# Altium PCB spd150.PcbDoc (part 12 of 16)
Units mm, origin at the board's own origin, x right, y up, seen from the top; angles counter-clockwise.
Board outline 217.35 x 147.5 mm, 10 copper layers (TOP, LYR2-PLN, LYR3-SIG, LYR4-SIG, LYR5-PLN, LYR6-PLN, LYR7-SIG, LYR8-SIG, LYR9-PLN, BOTTOM), stack 2.134 mm thick; 1065 components, 972 nets, 4226 pads, 2810 vias.
Unrouted connection lines stored in the file: 16.
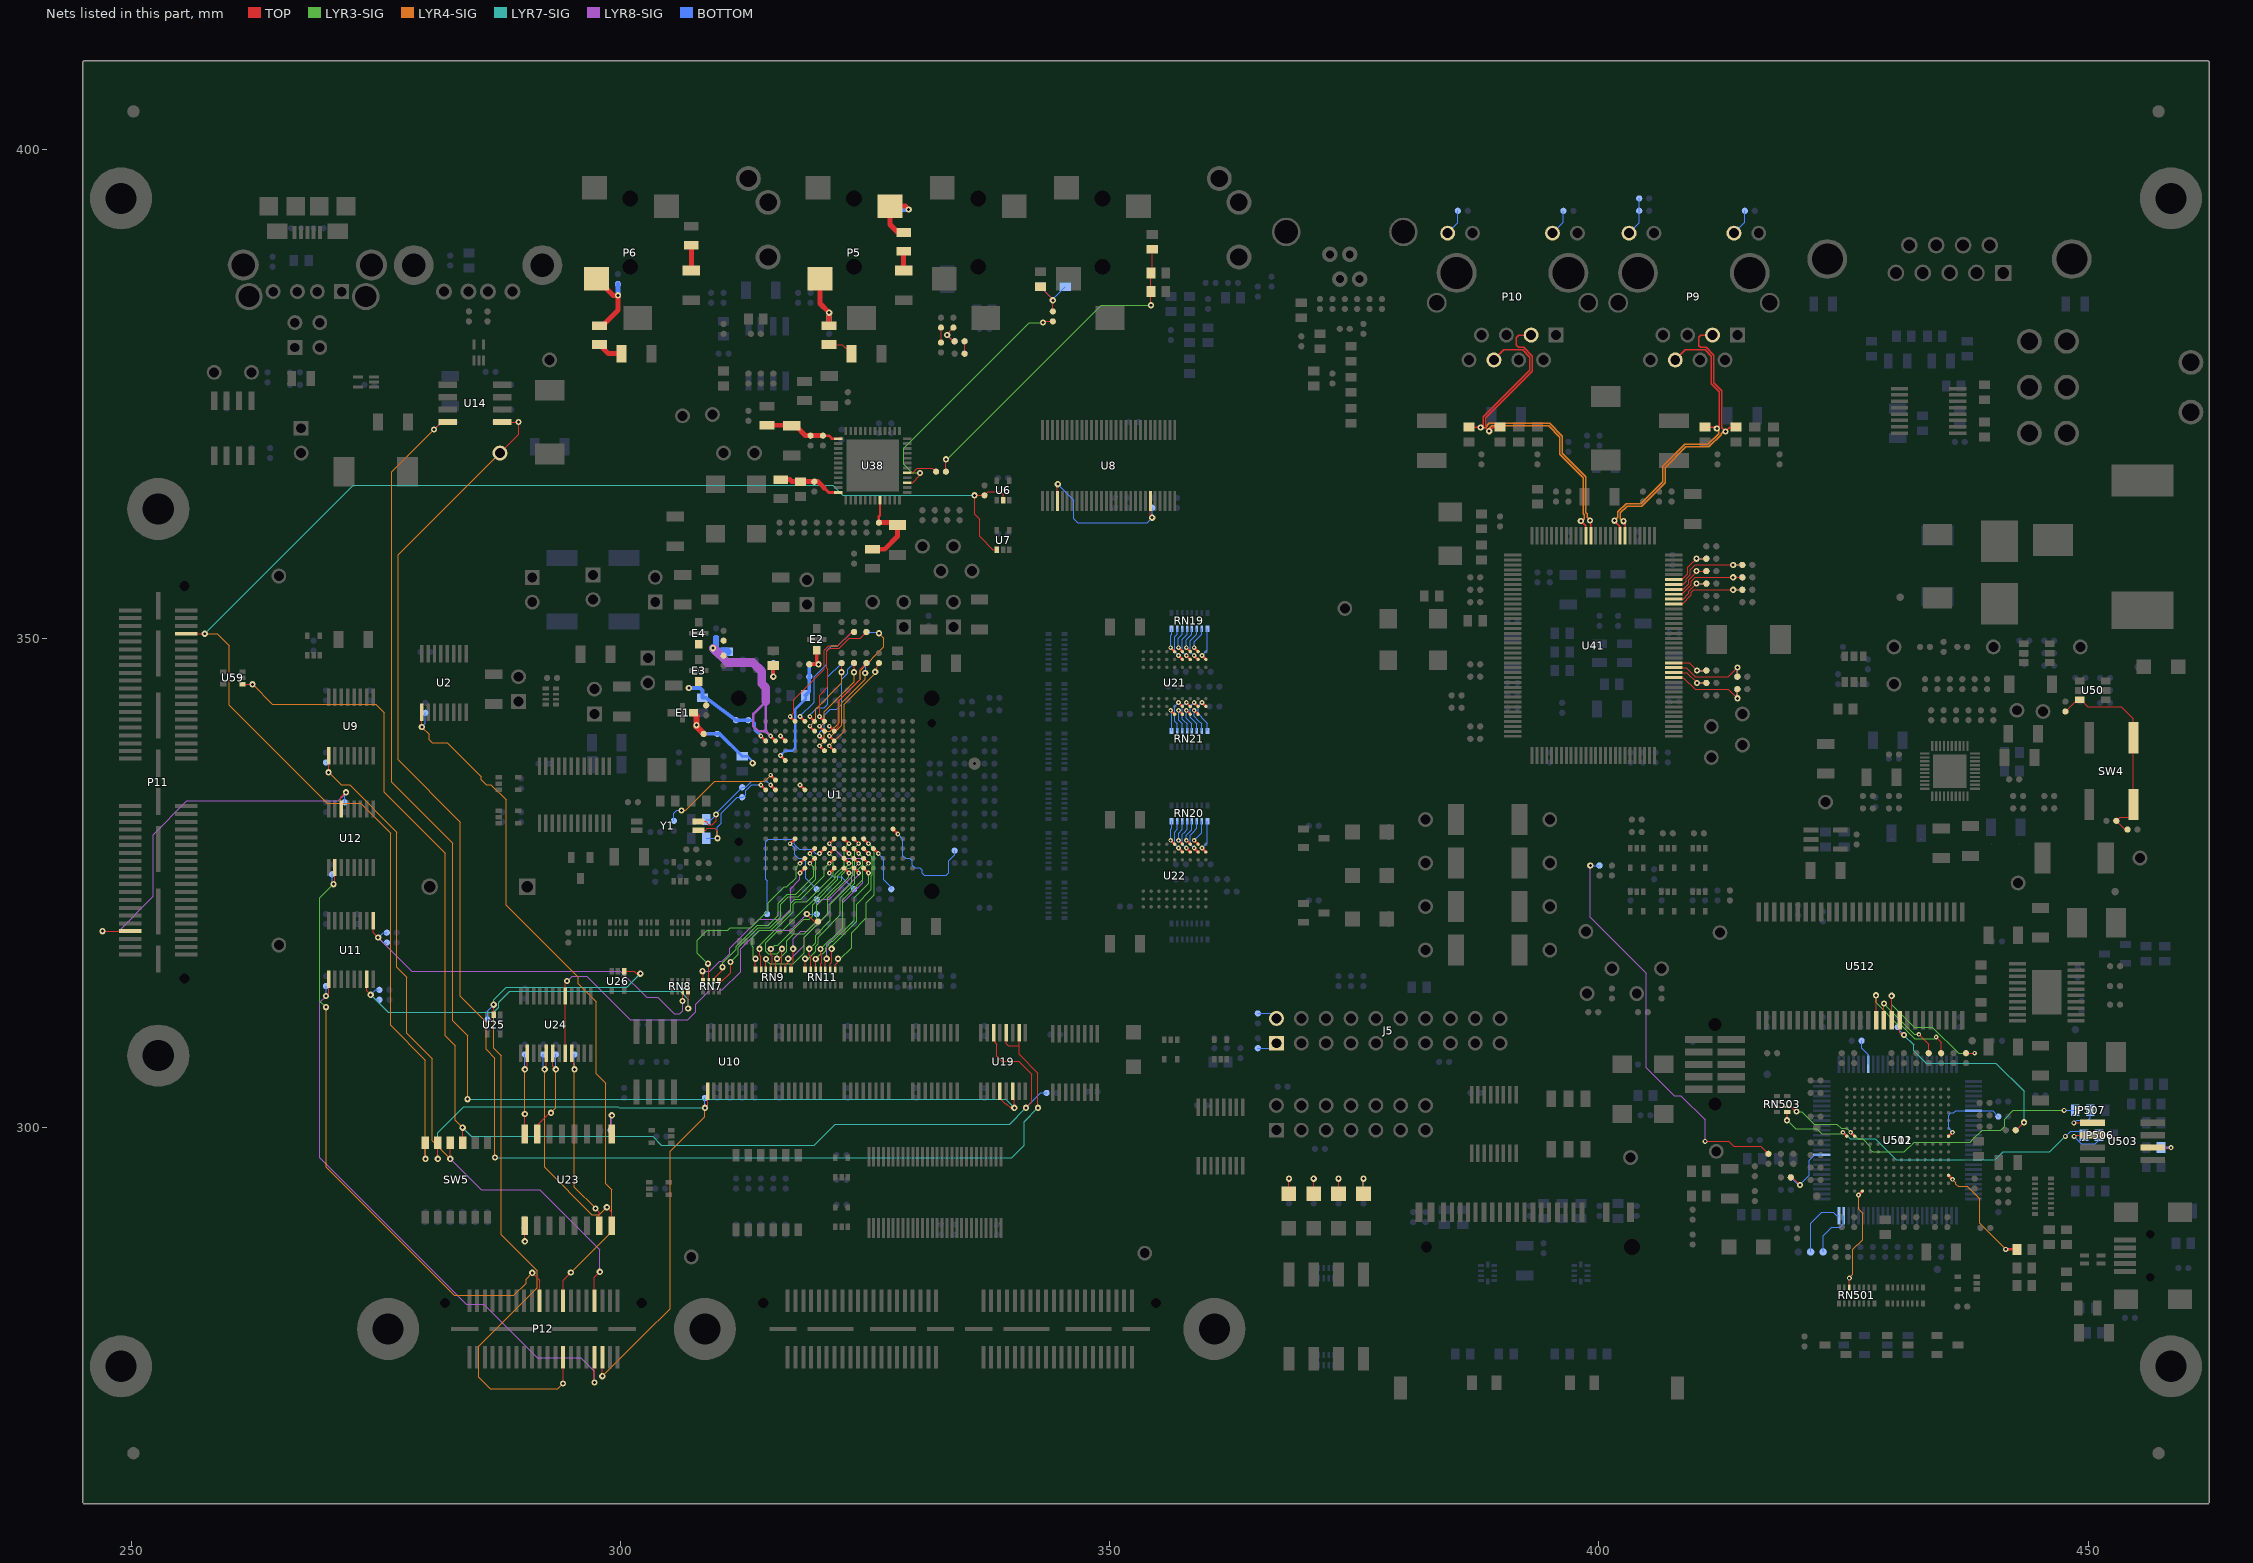
[diagram p20: the nets of this part, all layers, seen from the top]

## Via types
v1: diameter 0.635, hole 0.305, TOP to BOTTOM, 2018 vias
v2: diameter 0.483, hole 0.203, TOP to BOTTOM, 651 vias
v3: diameter 0.508, hole 0.254, TOP to BOTTOM, 120 vias
v4: diameter 0.559, hole 0.254, TOP to BOTTOM, 21 vias

## Nets (pads, with @x,y where several pads share a name; then routed paths per layer and width w, separated by ;. In a path a pad name is that pad's centre, name@x,y a point inside that pad or via, vN(x,y) a via of type N, cw(c..) or ccw(c..) an arc to the next point about the centre after c; other vN are vias at no path point) (continued)
N20160541: RN11.2 U1.N11 | length 15.6
  TOP w0.127: RN11.2@321.92,316.154 321.92,316.611 322.199,316.89 v1(322.199,317.246)
  TOP w0.254: U1.N11@324.83,329.507 v2(325.331,329.006)
  LYR3-SIG w0.102: v2(325.331,329.006) 325.938,328.399 325.938,325.501
  LYR3-SIG w0.127: v1(322.199,317.246) 322.453,317.246 323.596,318.389 323.596,319.913 325.12,321.437 325.12,322.961 325.938,323.779 325.938,325.501
N20160583: RN11.4 U1.N8 | length 17.5
  TOP w0.127: RN11.4@320.924,316.154 320.924,316.291 320.929,316.296 320.929,317.119 v1(321.056,317.246)
  TOP w0.254: v2(321.328,329.006) U1.N8@321.828,329.507
  LYR8-SIG w0.102: v2(321.328,329.006) 322.801,327.533 324.485,327.533 324.739,327.279 324.739,325.501
  LYR8-SIG w0.127: v1(321.056,317.246) 321.056,318.681 322.707,320.332 322.707,322.961 324.739,324.993 324.739,325.501
N20160585: RN11.3 U1.P11 | length 14.5
  TOP w0.127: RN11.3@321.422,316.154 321.422,316.738 321.564,316.88 v1(321.564,318.262)
  TOP w0.254: U1.P11@324.83,328.506 v2(325.331,328.005)
  LYR3-SIG w0.102: v2(325.331,328.005) 325.735,327.602 325.735,325.849 325.628,325.742 325.628,325.501
  LYR3-SIG w0.127: v1(321.564,318.262) 321.564,318.516 324.104,321.056 324.104,322.834 325.628,324.358 325.628,325.501
N20160587: RN11.7 U1.N10 | length 15.7
  TOP w0.127: v1(319.278,318.262) 319.278,317.584 319.42,317.442 319.42,316.164 RN11.7@319.43,316.154
  TOP w0.254: U1.N10@323.83,329.507 v2(324.33,329.006)
  LYR3-SIG w0.102: 323.596,325.501 323.596,325.712 323.723,325.839 323.723,326.263 323.936,326.476 323.936,328.613 v2(324.33,329.006)
  LYR3-SIG w0.127: v1(319.278,318.262) 319.913,318.897 319.913,319.659 321.437,321.183 321.437,322.834 323.596,324.993 323.596,325.501
N20160591: RN11.8 U1.P10 | length 15.4
  TOP w0.127: RN11.8@318.856,316.154 v1(318.856,317.246)
  TOP w0.254: U1.P10@323.83,328.506 v2(324.33,328.005)
  LYR3-SIG w0.102: 323.936,325.501 323.936,326.169 324.165,326.398 324.282,326.398 324.724,326.84 324.724,327.612 v2(324.33,328.005)
  LYR3-SIG w0.127: v1(318.856,317.246) 319.151,317.246 319.913,318.008 319.913,318.516 320.167,318.77 320.167,319.443 322.453,321.729 322.453,323.469 323.936,324.952 323.936,325.501
N20160593: RN11.6 U1.T11 | length 13
  TOP w0.127: RN11.6@319.928,316.154 v1(319.928,317.231)
  TOP w0.254: U1.T11@324.83,326.504 v2(325.331,326.004)
  LYR3-SIG w0.102: 325.331,325.501 v2(325.331,326.004)
  LYR3-SIG w0.127: v1(319.928,317.231) 320.446,317.749 320.637,317.749 320.934,318.046 320.934,318.394 321.564,319.024 321.691,319.024 323.85,321.183 323.85,323.469 325.331,324.95 325.331,325.501
N20160595: RN11.5 U1.R11 | length 13.8
  TOP w0.127: RN11.5@320.426,316.154 320.426,316.738 320.548,316.86 320.548,317.5 320.426,317.622 v1(320.426,318.257)
  TOP w0.254: U1.R11@324.83,327.505 v2(325.331,327.005)
  LYR3-SIG w0.102: 324.739,325.501 324.739,326.413 v2(325.331,327.005)
  LYR3-SIG w0.127: v1(320.426,318.257) 321.447,319.278 321.564,319.278 322.707,320.421 322.707,323.281 324.739,325.313 324.739,325.501
N20166860: R27.2 U1.N4 | length 6.7
  TOP w0.254: v2(317.325,329.006) U1.N4@317.825,329.507
  BOTTOM w0.102: v2(317.325,329.006) 317.782,328.549 317.782,327.886 318.135,327.533 318.516,327.533 318.897,327.152 318.897,325.501
  BOTTOM w0.127: 318.897,325.501 R27.2@320.04,324.358
N20301221: C21.1 C22.1 C23.1 C24.1 E2.1 U1.E3 | length 15.1
  TOP w0.254: v2(316.324,338.013) U1.E3@316.824,337.513
  TOP w0.381: C21.1@319.278,347.345 v1(320.218,347.345) 320.04,347.523 E2.1@320.04,348.767
  BOTTOM w0.254: v2(316.324,338.013) 316.817,338.506 317.551,338.506 317.83,338.785 317.83,342.722 318.897,343.789 C24.1@318.897,344.17
  BOTTOM w0.381: C24.1@318.897,344.17 319.278,344.551 C23.1@319.278,346.075 C22.1@319.278,347.345 v1(320.218,347.345)
N20301254: C26.1 C27.1 U1.C3 | length 3.2
  TOP w0.254: v2(316.324,340.015) U1.C3@316.824,339.514
  TOP w0.381: v1(315.595,346.075) C27.1@315.595,347.218
  BOTTOM w0.381: v1(315.595,346.075) C26.1@315.595,347.472
N20333449: C17.1 C18.1 C19.1 C20.1 E1.1 U1.H5 | length 9.7
  TOP w0.254: v2(318.325,335.011) U1.H5@318.826,334.51
  TOP w0.635: E1.1@307.442,342.392 307.746,342.087 v1(307.746,341.122) 307.721,341.097 307.721,340.995 C17.1@308.483,340.233
  BOTTOM w0.254: C20.1@312.42,337.947 312.979,337.947 313.487,337.439 v1(313.487,337.236)
  BOTTOM w0.381: C18.1@308.483,340.233 C19.1@309.88,340.233 310.134,340.233 C20.1@312.42,337.947
N20449077: R16.2 U1.A5 | length 12.1
  TOP w0.254: v2(318.325,342.016) U1.A5@318.826,341.516
  BOTTOM w0.127: v2(318.325,342.016) 319.786,343.477 319.786,346.075 321.056,347.345 321.056,348.742 321.564,349.25 322.199,349.25 323.596,350.647 R16.2@323.85,350.647
N20586306: RN7.1 U1.P6 | length 19.5
  TOP w0.127: RN7.1@310.068,314.973 310.401,314.973 311.226,315.798 v1(311.226,316.916)
  TOP w0.254: v2(319.326,328.005) U1.P6@319.827,328.506
  LYR3-SIG w0.102: v2(319.326,328.005) 319.933,327.398 319.933,325.501
  LYR3-SIG w0.127: v1(311.226,316.916) 312.039,317.729 312.039,318.402 314.058,320.421 315.214,320.421 316.357,321.564 316.357,322.809 317.144,323.596 318.135,323.596 319.933,325.394 319.933,325.501
N20586307: RN7.2 U1.R6 | length 18.3
  TOP w0.127: RN7.2@309.494,314.973 309.494,315.209 310.413,316.128 v1(310.413,316.382)
  TOP w0.254: v2(319.326,327.005) U1.R6@319.827,327.505
  LYR3-SIG w0.102: v2(319.326,327.005) 319.72,326.611 319.72,325.689 319.532,325.501
  LYR3-SIG w0.127: v1(310.413,316.382) 310.413,316.84 311.785,318.211 311.785,318.516 313.944,320.675 315.087,320.675 316.103,321.691 316.103,322.936 317.017,323.85 317.881,323.85 319.532,325.501
N20586308: RN7.3 U1.R5 | length 20.2
  TOP w0.127: v1(308.915,316.738) 308.996,316.657 RN7.3@308.996,314.973
  TOP w0.254: v2(318.325,327.005) U1.R5@318.826,327.505
  LYR3-SIG w0.102: 317.881,325.501 317.932,325.552 317.932,326.611 v2(318.325,327.005)
  LYR3-SIG w0.127: v1(308.915,316.738) 307.848,317.805 307.848,319.151 308.864,320.167 310.947,320.167 311.201,320.421 313.309,320.421 315.087,322.199 315.087,322.986 316.713,324.612 316.992,324.612 317.881,325.501
N20586309: RN7.4 U1.T5 | length 17.8
  TOP w0.127: v1(308.356,315.976) 308.422,315.91 RN7.4@308.422,314.973
  TOP w0.254: v2(318.325,326.004) U1.T5@318.826,326.504
  LYR8-SIG w0.102: 318.325,325.501 v2(318.325,326.004)
  LYR8-SIG w0.127: v1(308.356,315.976) 309.118,315.976 310.134,316.992 310.391,316.992 311.15,317.751 311.15,318.338 314.122,321.31 316.357,321.31 317.373,322.326 317.373,324.416 318.325,325.369 318.325,325.501
N20637986: R86.1 U1.M14 | length 11.7
  TOP w0.254: U1.M14@327.833,330.507 v2(328.333,330.007)
  BOTTOM w0.102: v2(328.333,330.007) 328.854,329.486 328.854,327.787 329.133,327.508 329.54,327.508 329.794,327.254 329.794,326.796 330.048,326.542 330.581,326.542 330.835,326.288 330.835,325.984
  BOTTOM w0.127: 330.835,325.984 331.038,325.78 333.299,325.78 333.553,326.034 333.553,327.279 334.137,327.863 R86.1@334.137,328.295
N20639075: R87.1 U1.P12 | length 4.9
  TOP w0.254: U1.P12@325.831,328.506 v2(326.332,328.005)
  BOTTOM w0.102: v2(326.332,328.005) 326.898,327.439 326.898,325.704
  BOTTOM w0.127: 326.898,325.704 326.898,325.323 327.66,324.561 R87.1@327.66,324.358
N20660016: RN9.7 U1.P8 | length 16.6
  TOP w0.127: v1(314.198,318.262) 314.198,317.584 314.34,317.442 314.34,316.164 RN9.7@314.35,316.154
  TOP w0.254: v2(321.328,328.005) U1.P8@321.828,328.506
  LYR3-SIG w0.102: v2(321.328,328.005) 321.721,327.612 321.721,325.785 321.437,325.501
  LYR3-SIG w0.127: v1(314.198,318.262) 314.198,318.643 317.627,322.072 317.627,322.814 317.901,323.088 319.024,323.088 321.437,325.501
N20660020: RN9.8 U1.R8 | length 16
  TOP w0.127: RN9.8@313.776,316.154 v1(313.776,317.246)
  TOP w0.254: v2(321.328,327.005) U1.R8@321.828,327.505
  LYR3-SIG w0.102: 320.548,325.501 320.802,325.755 320.802,326.479 v2(321.328,327.005)
  LYR3-SIG w0.127: v1(313.776,317.246) 313.563,317.459 313.563,318.402 313.436,318.529 313.436,319.405 314.198,320.167 315.361,320.167 317.373,322.179 317.373,322.936 317.779,323.342 318.389,323.342 320.548,325.501
N20661248: RN9.2 U1.T10 | length 13.8
  TOP w0.127: RN9.2@316.84,316.154 316.84,316.611 317.119,316.89 v1(317.119,317.246)
  TOP w0.254: U1.T10@323.83,326.504 v2(324.33,326.004)
  LYR8-SIG w0.102: 323.977,325.501 324.33,325.854 v2(324.33,326.004)
  LYR8-SIG w0.127: v1(317.119,317.246) 317.373,317.246 318.77,318.643 318.77,319.43 321.31,321.97 321.31,322.834 323.977,325.501
N20661250: RN9.4 U1.P9 | length 16.9
  TOP w0.127: RN9.4@315.844,316.154 315.844,316.291 315.849,316.296 315.849,317.119 v1(315.976,317.246)
  TOP w0.254: U1.P9@322.829,328.506 v2(323.329,328.005)
  LYR3-SIG w0.102: 322.58,325.501 322.58,325.831 323.266,326.517 323.469,326.517 323.723,326.771 323.723,327.612 v2(323.329,328.005)
  LYR3-SIG w0.127: v1(315.976,317.246) 316.23,317.246 316.992,318.008 316.992,319.085 317.693,319.786 318.745,319.786 320.04,321.081 320.04,322.707 322.58,325.247 322.58,325.501
N20661252: RN9.3 U1.N9 | length 19.7
  TOP w0.127: RN9.3@316.342,316.154 316.342,316.738 316.484,316.88 v1(316.484,318.262)
  TOP w0.254: U1.N9@322.829,329.507 v2(323.329,329.006)
  LYR3-SIG w0.102: 321.945,325.501 321.945,325.882 322.834,326.771 322.834,328.511 v2(323.329,329.006)
  LYR3-SIG w0.127: v1(316.484,318.262) 315.976,317.754 315.562,317.754 315.557,317.749 315.092,317.749 314.833,318.008 314.833,318.897 315.976,320.04 316.484,320.04 321.945,325.501
N20661254: RN9.1 U1.R10 | length 15.2
  TOP w0.127: RN9.1@317.414,316.154 317.414,316.647 317.627,316.86 v1(317.627,318.262)
  TOP w0.254: U1.R10@323.83,327.505 v2(324.33,327.005)
  LYR8-SIG w0.102: 323.469,325.501 323.85,325.882 323.85,326.517 324.33,326.997 v2(324.33,327.005)
  LYR8-SIG w0.127: v1(317.627,318.262) 317.627,319.278 318.389,320.04 318.999,320.04 320.04,321.081 320.04,322.834 320.548,323.342 321.31,323.342 323.469,325.501
N20661256: RN9.6 U1.T9 | length 16.5
  TOP w0.127: RN9.6@314.848,316.154 v1(314.848,317.231)
  TOP w0.254: U1.T9@322.829,326.504 v2(323.329,326.004)
  LYR3-SIG w0.102: 323.215,325.501 323.329,325.615 v2(323.329,326.004)
  LYR3-SIG w0.127: v1(314.848,317.231) 314.848,317.104 315.214,316.738 317.63,316.738 318.77,317.878 318.77,319.43 321.183,321.843 321.183,323.469 323.215,325.501
N20661258: RN9.5 U1.R9 | length 15.5
  TOP w0.127: RN9.5@315.346,316.154 315.346,316.738 315.468,316.86 315.468,317.5 315.346,317.622 v1(315.346,318.257)
  TOP w0.254: U1.R9@322.829,327.505 v2(323.329,327.005)
  LYR3-SIG w0.102: 322.199,325.501 322.199,325.755 323.329,326.885 v2(323.329,327.005)
  LYR3-SIG w0.127: v1(315.346,318.257) 315.732,318.643 316.06,318.643 318.727,321.31 319.278,321.31 319.606,321.638 319.606,322.76 322.199,325.354 322.199,325.501
N20664581: R69.1 U1.T8 | length 3.9
  TOP w0.254: v2(321.328,326.004) U1.T8@321.828,326.504
  BOTTOM w0.102: v2(321.328,326.004) 321.704,325.628 322.58,325.628 322.707,325.501
  BOTTOM w0.127: 322.707,325.501 R69.1@323.85,324.358
N20664593: R72.1 U1.P7 | length 14.5
  TOP w0.254: v2(320.327,328.005) U1.P7@320.827,328.506
  BOTTOM w0.102: 314.833,325.501 314.833,329.184 315.087,329.438 317.5,329.438 317.754,329.184 317.754,328.93 318.262,328.422 319.532,328.422 319.949,328.005 v2(320.327,328.005)
  BOTTOM w0.127: 314.833,325.501 314.833,325.374 314.985,325.222 314.985,321.843 R72.1@314.96,321.818
N20774436: C46.1 R103.2 U1.H1 Y1.4 | length 12.9
  TOP w0.127: Y1.4@307.95,330.39 308.673,330.39 308.864,330.581 309.626,330.581 309.88,330.327 v1(309.88,329.565)
  TOP w0.254: v2(314.322,335.011) U1.H1@314.823,334.51
  BOTTOM w0.102: 313.802,335.011 v2(314.322,335.011)
  BOTTOM w0.127: C46.1@308.737,329.565 v1(309.88,329.565) 309.88,330.708 310.261,331.089 310.261,332.105 311.912,333.756 R103.2@312.42,333.756 312.547,333.756 312.801,334.01 312.801,334.416 313.395,335.011 313.802,335.011
N20774450: C47.1 R103.1 U1.H2 Y1.1 | length 11.9
  TOP w0.127: Y1.1@307.95,331.279 308.673,331.279 308.991,330.962 309.372,330.962 309.753,331.343 v1(309.753,331.978)
  TOP w0.254: v2(315.323,335.011) U1.H2@315.824,334.51
  BOTTOM w0.102: 313.69,335.407 314.927,335.407 v2(315.323,335.011)
  BOTTOM w0.127: C47.1@308.737,331.47 309.245,331.47 v1(309.753,331.978) 309.753,332.105 R103.1@312.42,334.772 312.776,334.772 313.411,335.407 313.69,335.407
N20774506: R104.1 U1.G2 | length 13
  TOP w0.254: v2(315.323,336.012) U1.G2@315.824,335.511
  LYR4-SIG w0.102: 313.69,335.407 314.719,335.407 v2(315.323,336.012)
  LYR4-SIG w0.127: v1(306.222,332.41) 306.629,332.41 309.626,335.407 313.69,335.407
  BOTTOM w0.127: R104.1@305.435,331.343 305.435,332.105 305.74,332.41 v1(306.222,332.41)
N21190289: RN19.7 U21.D2 | length 3.6
  TOP w0.254: v2(357.017,348.242) U21.D2@357.419,347.84
  BOTTOM w0.102: 356.616,349.885 356.616,348.643 v2(357.017,348.242)
  BOTTOM w0.127: 356.616,349.885 356.616,350.139 356.895,350.418 RN19.7@356.895,350.977
N21190349: RN19.1 U21.A2 | length 3.5
  TOP w0.254: v2(359.418,348.242) U21.A2@359.819,347.84
  BOTTOM w0.127: v2(359.418,348.242) 359.959,348.783 359.959,349.885 RN19.1@359.959,350.977
N21190351: RN19.2 U21.B1 | length 2.8
  TOP w0.254: v2(358.618,349.042) U21.B1@359.019,348.64
  BOTTOM w0.127: v2(358.618,349.042) 358.618,349.626 358.877,349.885 359.385,350.393 RN19.2@359.385,350.977
N21190353: RN19.3 U21.B2 | length 3.7
  TOP w0.254: v2(358.618,348.242) U21.B2@359.019,347.84
  BOTTOM w0.102: 358.379,349.885 358.224,349.73 358.224,348.635 v2(358.618,348.242)
  BOTTOM w0.127: 358.379,349.885 358.887,350.393 RN19.3@358.887,350.977
N21190355: RN19.4 U21.C1 | length 2.7
  TOP w0.254: v2(357.817,349.042) U21.C1@358.219,348.64
  BOTTOM w0.127: v2(357.817,349.042) 357.817,349.821 357.881,349.885 358.389,350.393 RN19.4@358.389,350.977
N21190357: RN19.5 U21.C2 | length 3.7
  TOP w0.254: v2(357.817,348.242) U21.C2@358.219,347.84
  BOTTOM w0.102: 357.424,349.885 357.424,348.635 v2(357.817,348.242)
  BOTTOM w0.127: 357.424,349.885 357.424,349.926 357.891,350.393 RN19.5@357.891,350.977
N21190359: RN19.6 U21.D1 | length 2.7
  TOP w0.254: v2(357.017,349.042) U21.D1@357.419,348.64
  BOTTOM w0.127: v2(357.017,349.042) 356.997,349.062 356.997,349.997 357.393,350.393 RN19.6@357.393,350.977
N21190361: RN19.8 U21.E1 | length 2.5
  TOP w0.254: v2(356.217,349.042) U21.E1@356.619,348.64
  BOTTOM w0.127: v2(356.217,349.042) 356.217,349.885 356.217,350.289 356.321,350.393 RN19.8@356.321,350.977
N21190363: RN21.1 U21.E9 | length 2.7
  TOP w0.254: v2(356.217,342.641) U21.E9@356.619,342.24
  BOTTOM w0.127: v2(356.217,342.641) 356.321,342.537 356.321,341.63 RN21.1@356.321,340.538
N21190365: RN21.2 U21.D8 | length 3.8
  TOP w0.254: v2(357.017,343.441) U21.D8@357.419,343.04
  BOTTOM w0.102: 356.616,341.63 356.616,343.04 v2(357.017,343.441)
  BOTTOM w0.127: 356.616,341.63 356.616,341.528 356.895,341.249 RN21.2@356.895,340.538
N21190403: RN21.3 U21.D9 | length 2.8
  TOP w0.254: v2(357.017,342.641) U21.D9@357.419,342.24
  BOTTOM w0.127: v2(357.017,342.641) 357.017,341.63 357.017,341.625 357.393,341.249 RN21.3@357.393,340.538
N21190461: RN21.4 U21.C8 | length 3.8
  TOP w0.254: v2(357.817,343.441) U21.C8@358.219,343.04
  BOTTOM w0.102: 357.51,341.63 357.411,341.729 357.411,343.035 v2(357.817,343.441)
  BOTTOM w0.127: 357.51,341.63 357.891,341.249 RN21.4@357.891,340.538
N21190463: RN21.5 U21.C9 | length 2.9
  TOP w0.254: v2(357.817,342.641) U21.C9@358.219,342.24
  BOTTOM w0.127: v2(357.817,342.641) 357.817,341.82 358.008,341.63 358.389,341.249 RN21.5@358.389,340.538
N21190465: RN21.6 U21.B8 | length 3.9
  TOP w0.254: v2(358.618,343.441) U21.B8@359.019,343.04
  BOTTOM w0.102: 358.506,341.63 358.224,341.912 358.224,343.047 v2(358.618,343.441)
  BOTTOM w0.127: 358.506,341.63 358.887,341.249 RN21.6@358.887,340.538
N21190467: RN21.7 U21.B9 | length 3
  TOP w0.254: v2(358.618,342.641) U21.B9@359.019,342.24
  BOTTOM w0.127: v2(358.618,342.641) 358.618,342.016 359.004,341.63 359.385,341.249 RN21.7@359.385,340.538
N21190469: RN21.8 U21.A8 | length 4
  TOP w0.254: v2(359.418,343.441) U21.A8@359.819,343.04
  BOTTOM w0.102: v2(359.418,343.441) 359.024,343.047 359.024,342.27 359.664,341.63
  BOTTOM w0.127: 359.664,341.63 359.959,341.335 RN21.8@359.959,340.538
N21229585: RN20.7 U22.D2 | length 3.6
  TOP w0.254: v2(357.017,328.557) U22.D2@357.419,328.155
  BOTTOM w0.102: 356.624,329.954 356.624,328.95 v2(357.017,328.557)
  BOTTOM w0.127: 356.624,329.954 356.624,330.2 356.895,330.472 RN20.7@356.895,331.292
N21229645: RN20.1 U22.A2 | length 3.5
  TOP w0.254: v2(359.418,328.557) U22.A2@359.819,328.155
  BOTTOM w0.102: v2(359.418,328.557) 359.959,329.098 359.959,330.2
  BOTTOM w0.127: 359.959,330.2 RN20.1@359.959,331.292
N21229647: RN20.2 U22.B1 | length 2.8
  TOP w0.254: v2(358.618,329.357) U22.B1@359.019,328.955
  BOTTOM w0.102: v2(358.618,329.357) 359.385,330.124 359.385,330.2
  BOTTOM w0.127: 359.385,330.2 RN20.2@359.385,331.292
N21229649: RN20.3 U22.B2 | length 3.8
  TOP w0.254: v2(358.618,328.557) U22.B2@359.019,328.155
  BOTTOM w0.102: 358.521,330.2 358.211,329.89 358.211,328.963 v2(358.618,328.557)
  BOTTOM w0.127: 358.521,330.2 358.887,330.566 RN20.3@358.887,331.292
N21229651: RN20.4 U22.C1 | length 2.7
  TOP w0.254: v2(357.817,329.357) U22.C1@358.219,328.955
  BOTTOM w0.102: v2(357.817,329.357) 357.817,329.877 358.14,330.2
  BOTTOM w0.127: 358.14,330.2 358.389,330.449 RN20.4@358.389,331.292
N21229653: RN20.5 U22.C2 | length 3.7
  TOP w0.254: v2(357.817,328.557) U22.C2@358.219,328.155
  BOTTOM w0.102: 357.632,330.2 357.424,329.992 357.424,328.95 v2(357.817,328.557)
  BOTTOM w0.127: 357.632,330.2 357.891,330.459 RN20.5@357.891,331.292
N21229655: RN20.6 U22.D1 | length 2.7
  TOP w0.254: v2(357.017,329.357) U22.D1@357.419,328.955
  BOTTOM w0.102: v2(357.017,329.357) 357.017,330.093
  BOTTOM w0.127: 357.017,330.093 357.393,330.469 RN20.6@357.393,331.292
N21229657: RN20.8 U22.E1 | length 2.5
  TOP w0.254: v2(356.217,329.357) U22.E1@356.619,328.955
  BOTTOM w0.102: v2(356.217,329.357) 356.235,329.375 356.235,330.2
  BOTTOM w0.127: 356.235,330.2 356.235,330.495 356.321,330.581 RN20.8@356.321,331.292
N21432686: C31.1 C32.1 C33.1 C34.1 E3.1 U1.C1 | length 10.8
  TOP w0.254: v2(314.322,340.015) U1.C1@314.823,339.514
  BOTTOM w0.254: C32.1@313.055,341.63 313.436,341.63 313.69,341.305 313.69,340.647 v2(314.322,340.015)
  BOTTOM w0.381: v1(306.959,344.932) 308.102,344.932 308.356,344.678 C34.1@308.356,343.916 308.737,343.916 C33.1@311.785,341.63 C32.1@313.055,341.63
N21432690: C35.1 C36.1 C37.1 C38.1 E4.1 U1.C2 | length 21
  TOP w0.254: v2(315.323,340.015) U1.C2@315.824,339.514
  LYR8-SIG w0.254: v2(315.323,340.015) 315.305,340.015 314.833,340.487 ; 314.833,340.487 314.833,343.553 313.563,342.283 313.563,340.995 314.071,340.487 314.833,340.487
  LYR8-SIG w0.889: v1(309.448,348.996) 310.919,347.525 313.507,347.525 314.409,346.624 314.409,345.387 314.833,344.962 314.833,343.553
  BOTTOM w0.635: v1(309.448,348.996) 309.753,349.301 C37.1@309.753,350.012
  BOTTOM w0.889: v1(309.448,348.996) 309.829,348.615 C38.1@310.896,348.615
N21731281: J5.2 R176.1 | length 2.1

## Text inside footprints (layer, text, board x,y; h text height)
C272: PIN_NUMBER "2" at 313.588,338.531 h0.51; PIN_NUMBER "1" at 314.604,338.531 h0.51; ASSEMBLY_BOTTOM "0.01uF" at 314.3,338.531 h0.64; ASSEMBLY_BOTTOM "TOLERANCE" at 314.3,335.991 h0.64; ASSEMBLY_BOTTOM "USERPART#" at 314.3,334.721 h0.64; SYMBOL_PART_DIM "PAD 35X32 OV" at 317.424,333.756 h0.64; SYMBOL_PART_DIM "C402-35X32" at 317.424,335.026 h0.64; SYMBOL_PART_DIM "0" at 314.503,336.398 h0.64; SYMBOL_PART_DIM "0" at 316.636,338.201 h0.64
C273: PIN_NUMBER "1" at 304.343,293.751 h0.51; PIN_NUMBER "2" at 303.327,293.751 h0.51; ASSEMBLY_BOTTOM "0.1uF" at 304.038,293.751 h0.64; ASSEMBLY_BOTTOM "TOLERANCE" at 304.038,291.211 h0.64; ASSEMBLY_BOTTOM "USERPART#" at 304.038,289.941 h0.64; SYMBOL_PART_DIM "PAD 35X32 OV" at 307.162,288.976 h0.64; SYMBOL_PART_DIM "C402-35X32" at 307.162,290.246 h0.64; SYMBOL_PART_DIM "0" at 304.241,291.617 h0.64; SYMBOL_PART_DIM "0" at 306.375,293.421 h0.64
C274: PIN_NUMBER "1" at 303.454,299.085 h0.51 r180; PIN_NUMBER "2" at 304.47,299.085 h0.51 r180; ASSEMBLY_BOTTOM "0.1uF" at 304.165,299.085 h0.64 r180; ASSEMBLY_BOTTOM "TOLERANCE" at 304.165,301.625 h0.64 r180; ASSEMBLY_BOTTOM "USERPART#" at 304.165,302.895 h0.64 r180; SYMBOL_PART_DIM "PAD 35X32 OV" at 301.041,303.86 h0.64 r180; SYMBOL_PART_DIM "C402-35X32" at 301.041,302.59 h0.64 r180; SYMBOL_PART_DIM "0" at 303.962,301.219 h0.64 r180; SYMBOL_PART_DIM "0" at 301.828,299.415 h0.64 r180
C275: PIN_NUMBER "1" at 304.47,326.136 h0.51 r270; PIN_NUMBER "2" at 304.47,327.152 h0.51 r270; ASSEMBLY_BOTTOM "NO-POP" at 304.673,326.644 h0.64 r270; ASSEMBLY_BOTTOM "TOLERANCE" at 302.133,326.644 h0.64 r270; ASSEMBLY_BOTTOM "USERPART#" at 300.863,326.644 h0.64 r270; SYMBOL_PART_DIM "PAD 35X32 OV" at 299.898,323.52 h0.64 r270; SYMBOL_PART_DIM "C402-35X32" at 301.168,323.52 h0.64 r270; SYMBOL_PART_DIM "0" at 302.539,326.441 h0.64 r270; SYMBOL_PART_DIM "0" at 304.343,324.307 h0.64 r270
C502: PIN_NUMBER "1" at 445.872,289.433 h0.51 r90; PIN_NUMBER "2" at 445.872,287.909 h0.51 r90; SYMB_DIM "PAD 35X45OV" at 451.104,292.862 h1.02 r90; SYMB_DIM "SM  43X53OV" at 453.009,292.862 h1.02 r90; SYMB_DIM "SP  35X45OV" at 454.787,292.862 h1.02 r90; SYMB_DIM "C603-35X45" at 442.214,292.608 h1.02 r90; SYMB_DIM "0" at 449.453,289.306 h1.02 r90; SYMB_DIM "0" at 446.532,292.354 h1.02 r90; ASSEMBLY_BOTTOM "NO-POP" at 446.405,289.306 h1.02 r90; ASSEMBLY_BOTTOM "X" at 446.405,288.417 h1.02 r90; ASSEMBLY_BOTTOM "X" at 446.278,287.528 h1.02 r90
C504: PIN_NUMBER "1" at 442.443,283.591 h0.51; PIN_NUMBER "2" at 443.967,283.591 h0.51; ASSEMBLY_TOP "NO-POP" at 442.976,283.464 h1.02; ASSEMBLY_TOP "X" at 443.865,283.464 h1.02; ASSEMBLY_TOP "X" at 444.754,283.591 h1.02; SYMB_DIM "PAD 35X45OV" at 439.42,278.765 h1.02; SYMB_DIM "SM  43X53OV" at 439.42,276.86 h1.02; SYMB_DIM "SP  35X45OV" at 439.42,275.082 h1.02; SYMB_DIM "C603-35X45" at 439.674,287.655 h1.02; SYMB_DIM "0" at 442.976,280.416 h1.02; SYMB_DIM "0" at 439.928,283.337 h1.02
C518: PIN_NUMBER "1" at 416.154,296.545 h0.51; PIN_NUMBER "2" at 414.63,296.545 h0.51; SYMB_DIM "PAD 35X45OV" at 419.989,291.719 h1.02; SYMB_DIM "SM  43X53OV" at 419.989,289.814 h1.02; SYMB_DIM "SP  35X45OV" at 419.989,288.036 h1.02; SYMB_DIM "C603-35X45" at 419.735,300.609 h1.02; SYMB_DIM "0" at 416.433,293.37 h1.02; SYMB_DIM "0" at 419.481,296.291 h1.02; ASSEMBLY_BOTTOM "NO-POP" at 416.433,296.418 h1.02; ASSEMBLY_BOTTOM "X" at 415.544,296.418 h1.02; ASSEMBLY_BOTTOM "X" at 414.655,296.545 h1.02
C524: PIN_NUMBER "1" at 432.232,290.83 h0.51 r270; PIN_NUMBER "2" at 432.232,289.814 h0.51 r270; ASSEMBLY_TOP "0.1uF" at 432.435,290.322 h0.64 r270; ASSEMBLY_TOP "TOLERANCE" at 429.895,290.322 h0.64 r270; ASSEMBLY_TOP "USERPART#" at 428.625,290.322 h0.64 r270; SYMBOL_PART_DIM "PAD 35X32 OV" at 427.66,293.446 h0.64 r270; SYMBOL_PART_DIM "C402-35X32" at 428.93,293.446 h0.64 r270; SYMBOL_PART_DIM "0" at 430.301,290.525 h0.64 r270; SYMBOL_PART_DIM "0" at 432.105,292.659 h0.64 r270
C526: PIN_NUMBER "1" at 439.979,319.024 h0.51 r180; PIN_NUMBER "2" at 440.995,319.024 h0.51 r180; ASSEMBLY_BOTTOM "0.1uF" at 440.69,319.024 h0.64 r180; ASSEMBLY_BOTTOM "TOLERANCE" at 440.69,321.564 h0.64 r180; ASSEMBLY_BOTTOM "USERPART#" at 440.69,322.834 h0.64 r180; SYMBOL_PART_DIM "PAD 35X32 OV" at 437.566,323.799 h0.64 r180; SYMBOL_PART_DIM "C402-35X32" at 437.566,322.529 h0.64 r180; SYMBOL_PART_DIM "0" at 440.487,321.158 h0.64 r180; SYMBOL_PART_DIM "0" at 438.353,319.354 h0.64 r180
C527: PIN_NUMBER "1" at 420.802,277.622 h0.51 r90; PIN_NUMBER "2" at 420.802,278.638 h0.51 r90; ASSEMBLY_TOP "0.1uF" at 421.005,278.13 h0.64 r90; ASSEMBLY_TOP "TOLERANCE" at 423.545,278.13 h0.64 r90; ASSEMBLY_TOP "USERPART#" at 424.815,278.13 h0.64 r90; SYMBOL_PART_DIM "PAD 35X32 OV" at 425.78,275.006 h0.64 r90; SYMBOL_PART_DIM "C402-35X32" at 424.51,275.006 h0.64 r90; SYMBOL_PART_DIM "0" at 423.139,277.927 h0.64 r90; SYMBOL_PART_DIM "0" at 421.335,275.793 h0.64 r90
C528: PIN_NUMBER "1" at 440.614,293.624 h0.51; PIN_NUMBER "2" at 441.63,293.624 h0.51; ASSEMBLY_TOP "0.1uF" at 441.325,293.624 h0.64; ASSEMBLY_TOP "TOLERANCE" at 441.325,291.084 h0.64; ASSEMBLY_TOP "USERPART#" at 441.325,289.814 h0.64; SYMBOL_PART_DIM "PAD 35X32 OV" at 438.201,288.849 h0.64; SYMBOL_PART_DIM "C402-35X32" at 438.201,290.119 h0.64; SYMBOL_PART_DIM "0" at 441.122,291.49 h0.64; SYMBOL_PART_DIM "0" at 438.988,293.294 h0.64
C529: PIN_NUMBER "1" at 438.709,302.514 h0.51; PIN_NUMBER "2" at 439.725,302.514 h0.51; ASSEMBLY_TOP "0.1uF" at 439.42,302.514 h0.64; ASSEMBLY_TOP "TOLERANCE" at 439.42,299.974 h0.64; ASSEMBLY_TOP "USERPART#" at 439.42,298.704 h0.64; SYMBOL_PART_DIM "PAD 35X32 OV" at 436.296,297.739 h0.64; SYMBOL_PART_DIM "C402-35X32" at 436.296,299.009 h0.64; SYMBOL_PART_DIM "0" at 439.217,300.38 h0.64; SYMBOL_PART_DIM "0" at 437.083,302.184 h0.64
C530: PIN_NUMBER "1" at 438.709,301.244 h0.51; PIN_NUMBER "2" at 439.725,301.244 h0.51; ASSEMBLY_TOP "0.1uF" at 439.42,301.244 h0.64; ASSEMBLY_TOP "TOLERANCE" at 439.42,298.704 h0.64; ASSEMBLY_TOP "USERPART#" at 439.42,297.434 h0.64; SYMBOL_PART_DIM "PAD 35X32 OV" at 436.296,296.469 h0.64; SYMBOL_PART_DIM "C402-35X32" at 436.296,297.739 h0.64; SYMBOL_PART_DIM "0" at 439.217,299.11 h0.64; SYMBOL_PART_DIM "0" at 437.083,300.914 h0.64
C531: PIN_NUMBER "1" at 453.568,280.543 h0.51 r180; PIN_NUMBER "2" at 454.584,280.543 h0.51 r180; ASSEMBLY_BOTTOM "0.01uF" at 454.279,280.543 h0.64 r180; ASSEMBLY_BOTTOM "TOLERANCE" at 454.279,283.083 h0.64 r180; ASSEMBLY_BOTTOM "USERPART#" at 454.279,284.353 h0.64 r180; SYMBOL_PART_DIM "PAD 35X32 OV" at 451.155,285.318 h0.64 r180; SYMBOL_PART_DIM "C402-35X32" at 451.155,284.048 h0.64 r180; SYMBOL_PART_DIM "0" at 454.076,282.677 h0.64 r180; SYMBOL_PART_DIM "0" at 451.942,280.873 h0.64 r180
C532: PIN_NUMBER "1" at 438.201,294.767 h0.51 r270; PIN_NUMBER "2" at 438.201,293.751 h0.51 r270; ASSEMBLY_TOP "0.1uF" at 438.404,294.259 h0.64 r270; ASSEMBLY_TOP "TOLERANCE" at 435.864,294.259 h0.64 r270; ASSEMBLY_TOP "USERPART#" at 434.594,294.259 h0.64 r270; SYMBOL_PART_DIM "PAD 35X32 OV" at 433.629,297.383 h0.64 r270; SYMBOL_PART_DIM "C402-35X32" at 434.899,297.383 h0.64 r270; SYMBOL_PART_DIM "0" at 436.27,294.462 h0.64 r270; SYMBOL_PART_DIM "0" at 438.074,296.596 h0.64 r270
C534: PIN_NUMBER "1" at 440.614,294.767 h0.51; PIN_NUMBER "2" at 441.63,294.767 h0.51; ASSEMBLY_TOP "0.001uF" at 441.325,294.767 h0.64; ASSEMBLY_TOP "TOLERANCE" at 441.325,292.227 h0.64; ASSEMBLY_TOP "USERPART#" at 441.325,290.957 h0.64; SYMBOL_PART_DIM "PAD 35X32 OV" at 438.201,289.992 h0.64; SYMBOL_PART_DIM "C402-35X32" at 438.201,291.262 h0.64; SYMBOL_PART_DIM "0" at 441.122,292.633 h0.64; SYMBOL_PART_DIM "0" at 438.988,294.437 h0.64
C535: PIN_NUMBER "1" at 460.045,285.623 h0.51; PIN_NUMBER "2" at 459.029,285.623 h0.51; ASSEMBLY_BOTTOM "0.1uF" at 459.74,285.623 h0.64; ASSEMBLY_BOTTOM "TOLERANCE" at 459.74,283.083 h0.64; ASSEMBLY_BOTTOM "USERPART#" at 459.74,281.813 h0.64; SYMBOL_PART_DIM "PAD 35X32 OV" at 462.864,280.848 h0.64; SYMBOL_PART_DIM "C402-35X32" at 462.864,282.118 h0.64; SYMBOL_PART_DIM "0" at 459.943,283.489 h0.64; SYMBOL_PART_DIM "0" at 462.077,285.293 h0.64
C537: PIN_NUMBER "1" at 422.453,298.45 h0.51 r180; PIN_NUMBER "2" at 421.437,298.45 h0.51 r180; ASSEMBLY_TOP "0.1uF" at 422.148,298.45 h0.64 r180; ASSEMBLY_TOP "TOLERANCE" at 422.148,300.99 h0.64 r180; ASSEMBLY_TOP "USERPART#" at 422.148,302.26 h0.64 r180; SYMBOL_PART_DIM "PAD 35X32 OV" at 425.272,303.225 h0.64 r180; SYMBOL_PART_DIM "C402-35X32" at 425.272,301.955 h0.64 r180; SYMBOL_PART_DIM "0" at 422.351,300.584 h0.64 r180; SYMBOL_PART_DIM "0" at 424.485,298.78 h0.64 r180
C538: PIN_NUMBER "1" at 422.453,304.8 h0.51 r180; PIN_NUMBER "2" at 421.437,304.8 h0.51 r180; ASSEMBLY_TOP "0.1uF" at 422.148,304.8 h0.64 r180; ASSEMBLY_TOP "TOLERANCE" at 422.148,307.34 h0.64 r180; ASSEMBLY_TOP "USERPART#" at 422.148,308.61 h0.64 r180; SYMBOL_PART_DIM "PAD 35X32 OV" at 425.272,309.575 h0.64 r180; SYMBOL_PART_DIM "C402-35X32" at 425.272,308.305 h0.64 r180; SYMBOL_PART_DIM "0" at 422.351,306.934 h0.64 r180; SYMBOL_PART_DIM "0" at 424.485,305.13 h0.64 r180
C539: PIN_NUMBER "1" at 422.453,303.53 h0.51 r180; PIN_NUMBER "2" at 421.437,303.53 h0.51 r180; ASSEMBLY_TOP "0.1uF" at 422.148,303.53 h0.64 r180; ASSEMBLY_TOP "TOLERANCE" at 422.148,306.07 h0.64 r180; ASSEMBLY_TOP "USERPART#" at 422.148,307.34 h0.64 r180; SYMBOL_PART_DIM "PAD 35X32 OV" at 425.272,308.305 h0.64 r180; SYMBOL_PART_DIM "C402-35X32" at 425.272,307.035 h0.64 r180; SYMBOL_PART_DIM "0" at 422.351,305.664 h0.64 r180; SYMBOL_PART_DIM "0" at 424.485,303.86 h0.64 r180
C540: PIN_NUMBER "1" at 424.612,306.578 h0.51 r90; PIN_NUMBER "2" at 424.612,307.594 h0.51 r90; ASSEMBLY_TOP "0.1uF" at 424.815,307.086 h0.64 r90; ASSEMBLY_TOP "TOLERANCE" at 427.355,307.086 h0.64 r90; ASSEMBLY_TOP "USERPART#" at 428.625,307.086 h0.64 r90; SYMBOL_PART_DIM "PAD 35X32 OV" at 429.59,303.962 h0.64 r90; SYMBOL_PART_DIM "C402-35X32" at 428.32,303.962 h0.64 r90; SYMBOL_PART_DIM "0" at 426.949,306.883 h0.64 r90; SYMBOL_PART_DIM "0" at 425.145,304.749 h0.64 r90
C541: PIN_NUMBER "1" at 424.612,290.83 h0.51 r270; PIN_NUMBER "2" at 424.612,289.814 h0.51 r270; ASSEMBLY_TOP "0.1uF" at 424.815,290.322 h0.64 r270; ASSEMBLY_TOP "TOLERANCE" at 422.275,290.322 h0.64 r270; ASSEMBLY_TOP "USERPART#" at 421.005,290.322 h0.64 r270; SYMBOL_PART_DIM "PAD 35X32 OV" at 420.04,293.446 h0.64 r270; SYMBOL_PART_DIM "C402-35X32" at 421.31,293.446 h0.64 r270; SYMBOL_PART_DIM "0" at 422.681,290.525 h0.64 r270; SYMBOL_PART_DIM "0" at 424.485,292.659 h0.64 r270
C543: PIN_NUMBER "1" at 440.614,292.354 h0.51; PIN_NUMBER "2" at 441.63,292.354 h0.51; ASSEMBLY_TOP "0.1uF" at 441.325,292.354 h0.64; ASSEMBLY_TOP "TOLERANCE" at 441.325,289.814 h0.64; ASSEMBLY_TOP "USERPART#" at 441.325,288.544 h0.64; SYMBOL_PART_DIM "PAD 35X32 OV" at 438.201,287.579 h0.64; SYMBOL_PART_DIM "C402-35X32" at 438.201,288.849 h0.64; SYMBOL_PART_DIM "0" at 441.122,290.22 h0.64; SYMBOL_PART_DIM "0" at 438.988,292.024 h0.64
C544: PIN_NUMBER "1" at 444.424,303.276 h0.51 r180; PIN_NUMBER "2" at 445.44,303.276 h0.51 r180; ASSEMBLY_BOTTOM "0.1uF" at 445.135,303.276 h0.64 r180; ASSEMBLY_BOTTOM "TOLERANCE" at 445.135,305.816 h0.64 r180; ASSEMBLY_BOTTOM "USERPART#" at 445.135,307.086 h0.64 r180; SYMBOL_PART_DIM "PAD 35X32 OV" at 442.011,308.051 h0.64 r180; SYMBOL_PART_DIM "C402-35X32" at 442.011,306.781 h0.64 r180; SYMBOL_PART_DIM "0" at 444.932,305.41 h0.64 r180; SYMBOL_PART_DIM "0" at 442.798,303.606 h0.64 r180
C545: PIN_NUMBER "1" at 422.453,294.64 h0.51 r180; PIN_NUMBER "2" at 421.437,294.64 h0.51 r180; ASSEMBLY_TOP "0.1uF" at 422.148,294.64 h0.64 r180; ASSEMBLY_TOP "TOLERANCE" at 422.148,297.18 h0.64 r180; ASSEMBLY_TOP "USERPART#" at 422.148,298.45 h0.64 r180; SYMBOL_PART_DIM "PAD 35X32 OV" at 425.272,299.415 h0.64 r180; SYMBOL_PART_DIM "C402-35X32" at 425.272,298.145 h0.64 r180; SYMBOL_PART_DIM "0" at 422.351,296.774 h0.64 r180; SYMBOL_PART_DIM "0" at 424.485,294.97 h0.64 r180
C546: PIN_NUMBER "1" at 425.882,290.83 h0.51 r270; PIN_NUMBER "2" at 425.882,289.814 h0.51 r270; ASSEMBLY_TOP "0.1uF" at 426.085,290.322 h0.64 r270; ASSEMBLY_TOP "TOLERANCE" at 423.545,290.322 h0.64 r270; ASSEMBLY_TOP "USERPART#" at 422.275,290.322 h0.64 r270; SYMBOL_PART_DIM "PAD 35X32 OV" at 421.31,293.446 h0.64 r270; SYMBOL_PART_DIM "C402-35X32" at 422.58,293.446 h0.64 r270; SYMBOL_PART_DIM "0" at 423.951,290.525 h0.64 r270; SYMBOL_PART_DIM "0" at 425.755,292.659 h0.64 r270
C547: PIN_NUMBER "1" at 435.407,290.83 h0.51 r270; PIN_NUMBER "2" at 435.407,289.814 h0.51 r270; ASSEMBLY_TOP "0.1uF" at 435.61,290.322 h0.64 r270; ASSEMBLY_TOP "TOLERANCE" at 433.07,290.322 h0.64 r270; ASSEMBLY_TOP "USERPART#" at 431.8,290.322 h0.64 r270; SYMBOL_PART_DIM "PAD 35X32 OV" at 430.835,293.446 h0.64 r270; SYMBOL_PART_DIM "C402-35X32" at 432.105,293.446 h0.64 r270; SYMBOL_PART_DIM "0" at 433.476,290.525 h0.64 r270; SYMBOL_PART_DIM "0" at 435.28,292.659 h0.64 r270
C548: PIN_NUMBER "1" at 422.453,301.117 h0.51 r180; PIN_NUMBER "2" at 421.437,301.117 h0.51 r180; ASSEMBLY_TOP "0.1uF" at 422.148,301.117 h0.64 r180; ASSEMBLY_TOP "TOLERANCE" at 422.148,303.657 h0.64 r180; ASSEMBLY_TOP "USERPART#" at 422.148,304.927 h0.64 r180; SYMBOL_PART_DIM "PAD 35X32 OV" at 425.272,305.892 h0.64 r180; SYMBOL_PART_DIM "C402-35X32" at 425.272,304.622 h0.64 r180; SYMBOL_PART_DIM "0" at 422.351,303.251 h0.64 r180; SYMBOL_PART_DIM "0" at 424.485,301.447 h0.64 r180
C549: PIN_NUMBER "1" at 430.962,306.578 h0.51 r90; PIN_NUMBER "2" at 430.962,307.594 h0.51 r90; ASSEMBLY_TOP "0.1uF" at 431.165,307.086 h0.64 r90; ASSEMBLY_TOP "TOLERANCE" at 433.705,307.086 h0.64 r90; ASSEMBLY_TOP "USERPART#" at 434.975,307.086 h0.64 r90; SYMBOL_PART_DIM "PAD 35X32 OV" at 435.94,303.962 h0.64 r90; SYMBOL_PART_DIM "C402-35X32" at 434.67,303.962 h0.64 r90; SYMBOL_PART_DIM "0" at 433.299,306.883 h0.64 r90; SYMBOL_PART_DIM "0" at 431.495,304.749 h0.64 r90
C550: PIN_NUMBER "1" at 422.453,297.18 h0.51 r180; PIN_NUMBER "2" at 421.437,297.18 h0.51 r180; ASSEMBLY_TOP "0.1uF" at 422.148,297.18 h0.64 r180; ASSEMBLY_TOP "TOLERANCE" at 422.148,299.72 h0.64 r180; ASSEMBLY_TOP "USERPART#" at 422.148,300.99 h0.64 r180; SYMBOL_PART_DIM "PAD 35X32 OV" at 425.272,301.955 h0.64 r180; SYMBOL_PART_DIM "C402-35X32" at 425.272,300.685 h0.64 r180; SYMBOL_PART_DIM "0" at 422.351,299.314 h0.64 r180; SYMBOL_PART_DIM "0" at 424.485,297.51 h0.64 r180
C551: PIN_NUMBER "1" at 422.453,295.91 h0.51 r180; PIN_NUMBER "2" at 421.437,295.91 h0.51 r180; ASSEMBLY_TOP "0.1uF" at 422.148,295.91 h0.64 r180; ASSEMBLY_TOP "TOLERANCE" at 422.148,298.45 h0.64 r180; ASSEMBLY_TOP "USERPART#" at 422.148,299.72 h0.64 r180; SYMBOL_PART_DIM "PAD 35X32 OV" at 425.272,300.685 h0.64 r180; SYMBOL_PART_DIM "C402-35X32" at 425.272,299.415 h0.64 r180; SYMBOL_PART_DIM "0" at 422.351,298.044 h0.64 r180; SYMBOL_PART_DIM "0" at 424.485,296.24 h0.64 r180
C552: PIN_NUMBER "1" at 438.785,289.738 h0.51; PIN_NUMBER "2" at 439.801,289.738 h0.51; ASSEMBLY_TOP "0.1uF" at 439.496,289.738 h0.64; ASSEMBLY_TOP "TOLERANCE" at 439.496,287.198 h0.64; ASSEMBLY_TOP "USERPART#" at 439.496,285.928 h0.64; SYMBOL_PART_DIM "PAD 35X32 OV" at 436.372,284.963 h0.64; SYMBOL_PART_DIM "C402-35X32" at 436.372,286.233 h0.64; SYMBOL_PART_DIM "0" at 439.293,287.604 h0.64; SYMBOL_PART_DIM "0" at 437.159,289.408 h0.64
C553: PIN_NUMBER "1" at 425.882,306.578 h0.51 r90; PIN_NUMBER "2" at 425.882,307.594 h0.51 r90; ASSEMBLY_TOP "0.1uF" at 426.085,307.086 h0.64 r90; ASSEMBLY_TOP "TOLERANCE" at 428.625,307.086 h0.64 r90; ASSEMBLY_TOP "USERPART#" at 429.895,307.086 h0.64 r90; SYMBOL_PART_DIM "PAD 35X32 OV" at 430.86,303.962 h0.64 r90; SYMBOL_PART_DIM "C402-35X32" at 429.59,303.962 h0.64 r90; SYMBOL_PART_DIM "0" at 428.219,306.883 h0.64 r90; SYMBOL_PART_DIM "0" at 426.415,304.749 h0.64 r90
C554: PIN_NUMBER "1" at 429.692,306.578 h0.51 r90; PIN_NUMBER "2" at 429.692,307.594 h0.51 r90; ASSEMBLY_TOP "0.1uF" at 429.895,307.086 h0.64 r90; ASSEMBLY_TOP "TOLERANCE" at 432.435,307.086 h0.64 r90; ASSEMBLY_TOP "USERPART#" at 433.705,307.086 h0.64 r90; SYMBOL_PART_DIM "PAD 35X32 OV" at 434.67,303.962 h0.64 r90; SYMBOL_PART_DIM "C402-35X32" at 433.4,303.962 h0.64 r90; SYMBOL_PART_DIM "0" at 432.029,306.883 h0.64 r90; SYMBOL_PART_DIM "0" at 430.225,304.749 h0.64 r90
C555: PIN_NUMBER "1" at 452.044,312.547 h0.51; PIN_NUMBER "2" at 453.06,312.547 h0.51; ASSEMBLY_TOP "0.1uF" at 452.755,312.547 h0.64; ASSEMBLY_TOP "TOLERANCE" at 452.755,310.007 h0.64; ASSEMBLY_TOP "USERPART#" at 452.755,308.737 h0.64; SYMBOL_PART_DIM "PAD 35X32 OV" at 449.631,307.772 h0.64; SYMBOL_PART_DIM "C402-35X32" at 449.631,309.042 h0.64; SYMBOL_PART_DIM "0" at 452.552,310.413 h0.64; SYMBOL_PART_DIM "0" at 450.418,312.217 h0.64
C556: PIN_NUMBER "1" at 439.979,308.864 h0.51 r180; PIN_NUMBER "2" at 440.995,308.864 h0.51 r180; ASSEMBLY_BOTTOM "0.1uF" at 440.69,308.864 h0.64 r180; ASSEMBLY_BOTTOM "TOLERANCE" at 440.69,311.404 h0.64 r180; ASSEMBLY_BOTTOM "USERPART#" at 440.69,312.674 h0.64 r180; SYMBOL_PART_DIM "PAD 35X32 OV" at 437.566,313.639 h0.64 r180; SYMBOL_PART_DIM "C402-35X32" at 437.566,312.369 h0.64 r180; SYMBOL_PART_DIM "0" at 440.487,310.998 h0.64 r180; SYMBOL_PART_DIM "0" at 438.353,309.194 h0.64 r180
C557: PIN_NUMBER "1" at 452.044,316.484 h0.51; PIN_NUMBER "2" at 453.06,316.484 h0.51; ASSEMBLY_TOP "0.1uF" at 452.755,316.484 h0.64; ASSEMBLY_TOP "TOLERANCE" at 452.755,313.944 h0.64; ASSEMBLY_TOP "USERPART#" at 452.755,312.674 h0.64; SYMBOL_PART_DIM "PAD 35X32 OV" at 449.631,311.709 h0.64; SYMBOL_PART_DIM "C402-35X32" at 449.631,312.979 h0.64; SYMBOL_PART_DIM "0" at 452.552,314.35 h0.64; SYMBOL_PART_DIM "0" at 450.418,316.154 h0.64
C590: PIN_NUMBER "2" at 412.979,295.783 h1.02 r90; PIN_NUMBER "1" at 412.979,292.735 h1.02 r90; Top Overlay "+" at 412.369,293.116 h0.89 r90; ASSEMBLY_TOP "10uF" at 413.766,293.37 h1.02 r90; ASSEMBLY_TOP "X" at 413.766,294.259 h1.02 r90; ASSEMBLY_TOP "X" at 413.766,295.275 h1.02 r90; ASSEMBLY_TOP "+" at 413.766,291.338 h1.02 r90; SYMB_DIM "PAD 40X70OV" at 414.63,297.053 h1.02 r90; SYMB_DIM "SM  48X78" at 417.347,295.783 h1.02 r90; SYMB_DIM "SP  40X70OV" at 418.44,297.053 h1.02 r90; SYMB_DIM "C1206-40X70" at 403.708,296.799 h1.02 r90; SYMB_DIM "0" at 417.195,293.624 h1.02 r90; SYMB_DIM "0" at 414.02,289.814 h1.02 r90
C591: PIN_NUMBER "1" at 415.722,295.021 h0.51 r90; PIN_NUMBER "2" at 415.722,296.037 h0.51 r90; ASSEMBLY_TOP "0.1uF" at 415.925,295.529 h0.64 r90; ASSEMBLY_TOP "TOLERANCE" at 418.465,295.529 h0.64 r90; ASSEMBLY_TOP "USERPART#" at 419.735,295.529 h0.64 r90; SYMBOL_PART_DIM "PAD 35X32 OV" at 420.7,292.405 h0.64 r90; SYMBOL_PART_DIM "C402-35X32" at 419.43,292.405 h0.64 r90; SYMBOL_PART_DIM "0" at 418.059,295.326 h0.64 r90; SYMBOL_PART_DIM "0" at 416.255,293.192 h0.64 r90
C592: PIN_NUMBER "1" at 441.376,299.72 h0.51 r180; PIN_NUMBER "2" at 442.392,299.72 h0.51 r180; ASSEMBLY_BOTTOM "0.1uF" at 442.087,299.72 h0.64 r180; ASSEMBLY_BOTTOM "TOLERANCE" at 442.087,302.26 h0.64 r180; ASSEMBLY_BOTTOM "USERPART#" at 442.087,303.53 h0.64 r180; SYMBOL_PART_DIM "PAD 35X32 OV" at 438.963,304.495 h0.64 r180; SYMBOL_PART_DIM "C402-35X32" at 438.963,303.225 h0.64 r180; SYMBOL_PART_DIM "0" at 441.884,301.854 h0.64 r180; SYMBOL_PART_DIM "0" at 439.75,300.05 h0.64 r180
C593: PIN_NUMBER "1" at 419.405,298.704 h0.51; PIN_NUMBER "2" at 418.389,298.704 h0.51; ASSEMBLY_BOTTOM "0.1uF" at 419.1,298.704 h0.64; ASSEMBLY_BOTTOM "TOLERANCE" at 419.1,296.164 h0.64; ASSEMBLY_BOTTOM "USERPART#" at 419.1,294.894 h0.64; SYMBOL_PART_DIM "PAD 35X32 OV" at 422.224,293.929 h0.64; SYMBOL_PART_DIM "C402-35X32" at 422.224,295.199 h0.64; SYMBOL_PART_DIM "0" at 419.303,296.57 h0.64; SYMBOL_PART_DIM "0" at 421.437,298.374 h0.64
C594: PIN_NUMBER "1" at 433.502,287.782 h0.51 r90; PIN_NUMBER "2" at 433.502,286.766 h0.51 r90; ASSEMBLY_BOTTOM "0.1uF" at 433.705,287.274 h0.64 r90; ASSEMBLY_BOTTOM "TOLERANCE" at 436.245,287.274 h0.64 r90; ASSEMBLY_BOTTOM "USERPART#" at 437.515,287.274 h0.64 r90; SYMBOL_PART_DIM "PAD 35X32 OV" at 438.48,290.398 h0.64 r90; SYMBOL_PART_DIM "C402-35X32" at 437.21,290.398 h0.64 r90; SYMBOL_PART_DIM "0" at 435.839,287.477 h0.64 r90; SYMBOL_PART_DIM "0" at 434.035,289.611 h0.64 r90
C595: PIN_NUMBER "1" at 416.992,307.594 h0.51; PIN_NUMBER "2" at 418.008,307.594 h0.51; ASSEMBLY_TOP "0.1uF" at 417.703,307.594 h0.64; ASSEMBLY_TOP "TOLERANCE" at 417.703,305.054 h0.64; ASSEMBLY_TOP "USERPART#" at 417.703,303.784 h0.64; SYMBOL_PART_DIM "PAD 35X32 OV" at 414.579,302.819 h0.64; SYMBOL_PART_DIM "C402-35X32" at 414.579,304.089 h0.64; SYMBOL_PART_DIM "0" at 417.5,305.46 h0.64; SYMBOL_PART_DIM "0" at 415.366,307.264 h0.64
C596: PIN_NUMBER "1" at 434.137,290.83 h0.51 r270; PIN_NUMBER "2" at 434.137,289.814 h0.51 r270; ASSEMBLY_TOP "0.1uF" at 434.34,290.322 h0.64 r270; ASSEMBLY_TOP "TOLERANCE" at 431.8,290.322 h0.64 r270; ASSEMBLY_TOP "USERPART#" at 430.53,290.322 h0.64 r270; SYMBOL_PART_DIM "PAD 35X32 OV" at 429.565,293.446 h0.64 r270; SYMBOL_PART_DIM "C402-35X32" at 430.835,293.446 h0.64 r270; SYMBOL_PART_DIM "0" at 432.206,290.525 h0.64 r270; SYMBOL_PART_DIM "0" at 434.01,292.659 h0.64 r270
C597: PIN_NUMBER "1" at 430.962,290.83 h0.51 r270; PIN_NUMBER "2" at 430.962,289.814 h0.51 r270; ASSEMBLY_TOP "0.1uF" at 431.165,290.322 h0.64 r270; ASSEMBLY_TOP "TOLERANCE" at 428.625,290.322 h0.64 r270; ASSEMBLY_TOP "USERPART#" at 427.355,290.322 h0.64 r270; SYMBOL_PART_DIM "PAD 35X32 OV" at 426.39,293.446 h0.64 r270; SYMBOL_PART_DIM "C402-35X32" at 427.66,293.446 h0.64 r270; SYMBOL_PART_DIM "0" at 429.031,290.525 h0.64 r270; SYMBOL_PART_DIM "0" at 430.835,292.659 h0.64 r270
C598: PIN_NUMBER "1" at 438.709,300.101 h0.51; PIN_NUMBER "2" at 439.725,300.101 h0.51; ASSEMBLY_TOP "0.1uF" at 439.42,300.101 h0.64; ASSEMBLY_TOP "TOLERANCE" at 439.42,297.561 h0.64; ASSEMBLY_TOP "USERPART#" at 439.42,296.291 h0.64; SYMBOL_PART_DIM "PAD 35X32 OV" at 436.296,295.326 h0.64; SYMBOL_PART_DIM "C402-35X32" at 436.296,296.596 h0.64; SYMBOL_PART_DIM "0" at 439.217,297.967 h0.64; SYMBOL_PART_DIM "0" at 437.083,299.771 h0.64
C599: PIN_NUMBER "1" at 432.232,306.578 h0.51 r90; PIN_NUMBER "2" at 432.232,307.594 h0.51 r90; ASSEMBLY_TOP "0.1uF" at 432.435,307.086 h0.64 r90; ASSEMBLY_TOP "TOLERANCE" at 434.975,307.086 h0.64 r90; ASSEMBLY_TOP "USERPART#" at 436.245,307.086 h0.64 r90; SYMBOL_PART_DIM "PAD 35X32 OV" at 437.21,303.962 h0.64 r90; SYMBOL_PART_DIM "C402-35X32" at 435.94,303.962 h0.64 r90; SYMBOL_PART_DIM "0" at 434.569,306.883 h0.64 r90; SYMBOL_PART_DIM "0" at 432.765,304.749 h0.64 r90
C600: PIN_NUMBER "1" at 426.517,310.261 h0.51 r270; PIN_NUMBER "2" at 426.517,311.277 h0.51 r270; ASSEMBLY_BOTTOM "0.1uF" at 426.72,310.769 h0.64 r270; ASSEMBLY_BOTTOM "TOLERANCE" at 424.18,310.769 h0.64 r270; ASSEMBLY_BOTTOM "USERPART#" at 422.91,310.769 h0.64 r270; SYMBOL_PART_DIM "PAD 35X32 OV" at 421.945,307.645 h0.64 r270; SYMBOL_PART_DIM "C402-35X32" at 423.215,307.645 h0.64 r270; SYMBOL_PART_DIM "0" at 424.586,310.566 h0.64 r270; SYMBOL_PART_DIM "0" at 426.39,308.432 h0.64 r270
C601: PIN_NUMBER "1" at 436.677,310.261 h0.51 r270; PIN_NUMBER "2" at 436.677,311.277 h0.51 r270; ASSEMBLY_BOTTOM "0.1uF" at 436.88,310.769 h0.64 r270; ASSEMBLY_BOTTOM "TOLERANCE" at 434.34,310.769 h0.64 r270; ASSEMBLY_BOTTOM "USERPART#" at 433.07,310.769 h0.64 r270; SYMBOL_PART_DIM "PAD 35X32 OV" at 432.105,307.645 h0.64 r270; SYMBOL_PART_DIM "C402-35X32" at 433.375,307.645 h0.64 r270; SYMBOL_PART_DIM "0" at 434.746,310.566 h0.64 r270; SYMBOL_PART_DIM "0" at 436.55,308.432 h0.64 r270
C602: PIN_NUMBER "1" at 422.707,310.261 h0.51 r270; PIN_NUMBER "2" at 422.707,311.277 h0.51 r270; ASSEMBLY_BOTTOM "0.1uF" at 422.91,310.769 h0.64 r270; ASSEMBLY_BOTTOM "TOLERANCE" at 420.37,310.769 h0.64 r270; ASSEMBLY_BOTTOM "USERPART#" at 419.1,310.769 h0.64 r270; SYMBOL_PART_DIM "PAD 35X32 OV" at 418.135,307.645 h0.64 r270; SYMBOL_PART_DIM "C402-35X32" at 419.405,307.645 h0.64 r270; SYMBOL_PART_DIM "0" at 420.776,310.566 h0.64 r270; SYMBOL_PART_DIM "0" at 422.58,308.432 h0.64 r270